# Altium PCB PLCC-RP2350B.PcbDoc (continued)
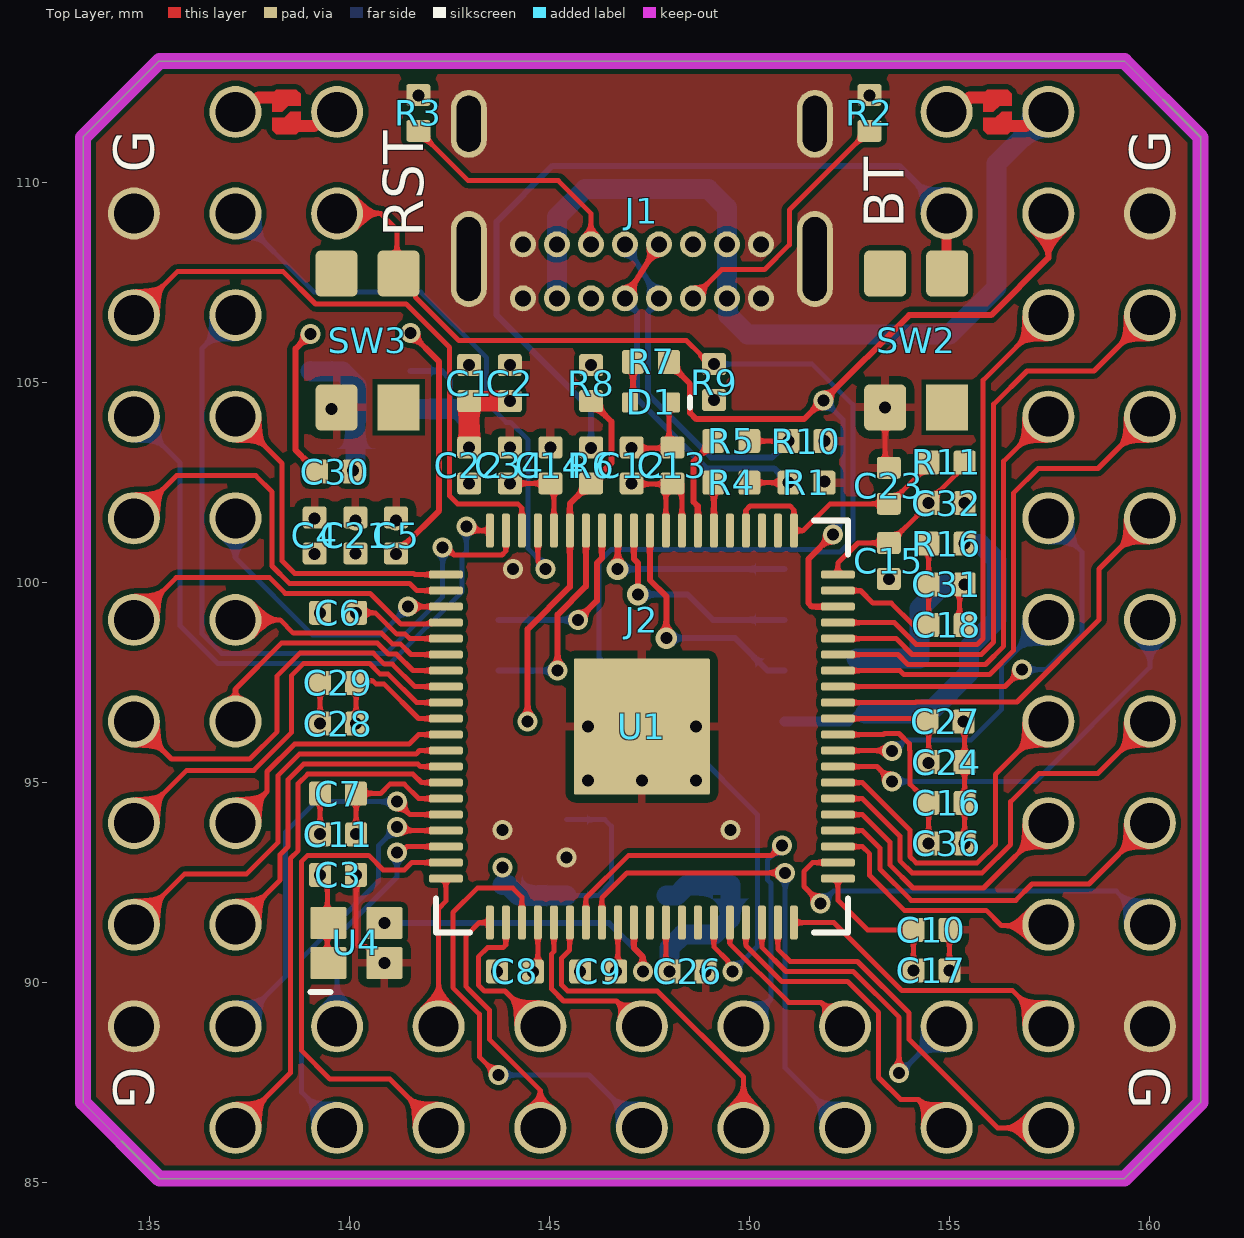
[diagram p0: Top Layer view]
## Footprints (in the part's own frame and the unit in brackets; to place one, negate y for a bottom-side part, rotate by r counter-clockwise, add the part's x,y. Pads: shape width x height; smd on the part's side, far side on the other; paste and mask are expansions set on the pad)
CAPC0402 [mm] "CAPACITOR, CHIP 0402 (1005) 0.5MM THICK"
  rrect25% 0.55x0.6 smd paste+0 mask+0.075: 1(-0.45,0) 2(0.45,0)
  body extent -0.51,-0.25 0.51,0.26, height 0.52
CAPC0603 [mm] "CAPACITOR, CHIP 0603 (1608) 0.5MM THICK"
  rrect25% 0.72x0.99 smd paste+0 mask+0.075: 1(-0.69,0) 2(0.69,0)
  body extent -0.81,-0.41 0.81,0.41, height 0.51
CONN-GCT-USB4085 [mm]
  rrect100% 0.9x2.4 hole 2.1 slot 0.6 at 0 deg paste-2539.97 mask+0: 1(-4.325,3.045) 2(4.325,3.045)
  rrect100% 0.9x1.7 hole 1.4 slot 0.6 at 0 deg paste-2539.97 mask+0: 3(-4.325,-0.335) 4(4.325,-0.335)
  round 0.65 hole 0.4 paste-2539.97 mask+0: A1(-2.975,4.025) A4(-2.125,4.025) A5(-1.275,4.025) A6(-0.425,4.025) A7(0.425,4.025) A8(1.275,4.025) A9(2.125,4.025) A12(2.975,4.025) B1(2.975,2.675) B4(2.125,2.675) B5(1.275,2.675) B6(0.425,2.675) B7(-0.425,2.675) B8(-1.275,2.675) B9(-2.125,2.675) B12(-2.975,2.675)
  body extent -4.87,-4.83 4.87,4.83, height 0.25
IND-ABRACON-ASPI-3012S-3R9N-T [mm]
  rrect8% 1.2x2.7 smd mask+0.05: 1(-1.1,0) 2(1.1,0)
  Top Layer keep-out region: -0.3,1.7 0.3,1.7 0.3,-1.7 -0.3,-1.7
  body extent -1.5,-1.5 1.5,1.5, height 1.51
LED-0402-BLUE [mm] "LED. 0402, BLUE"
  rrect25% 0.4x0.5 smd paste+0 mask+0.075: 1(-0.525,0) 2(0.525,0)
  silkscreen extent -0.98,-0.12 -0.98,0.13, body extent -0.48,-0.25 0.52,0.25, height 0.5
PLCC2350B [mm]
  round 1.3 hole 1: 1(0,-12.7) 2(0,-10.16) 3(2.54,-12.7) 4(2.54,-10.16) 5(5.08,-12.7) 6(5.08,-10.16) 7(7.62,-12.7) 8(7.62,-10.16) 9(10.16,-12.7) 10(12.7,-10.16) 11(10.16,-10.16) 12(12.7,-7.62) 13(10.16,-7.62) 14(12.7,-5.08) 15(10.16,-5.08) 16(12.7,-2.54) 17(10.16,-2.54) 18(12.7,0) 19(10.16,0) 20(12.7,2.54) 21(10.16,2.54) 22(12.7,5.08) 23(10.16,5.08) 24(12.7,7.62) 25(10.16,7.62) 26(12.7,10.16) 27(10.16,12.7) 28(10.16,10.16) 29(7.62,12.7) 30(7.62,10.16) 41(-7.62,12.7) 42(-7.62,10.16) 43(-10.16,12.7) 44(-12.7,10.16) 45(-10.16,10.16) 46(-12.7,7.62) 47(-10.16,7.62) 48(-12.7,5.08) 49(-10.16,5.08) 50(-12.7,2.54) 51(-10.16,2.54) 52(-12.7,0) 53(-10.16,0) 54(-10.16,-2.54) 55(-12.7,-2.54) 56(-12.7,-5.08) 57(-10.16,-5.08) 58(-12.7,-7.62) 59(-10.16,-7.62) 60(-12.7,-10.16) 61(-10.16,-12.7) 62(-10.16,-10.16) 63(-7.62,-12.7) 64(-7.62,-10.16) 65(-5.08,-12.7) 66(-5.08,-10.16) 67(-2.54,-12.7) 68(-2.54,-10.16)
QFN40P1000X1000X90_HS-81N [mm] "QFN, 80-Leads, Body 10.00x10.00mm, Pitch 0.40mm, Thermal Pad 3.40x3.40mm, IPC Medium Density"
  rrect50% 0.85x0.2 smd mask+0.05: 1(-4.9,3.8) 2(-4.9,3.4) 3(-4.9,3) 4(-4.9,2.6) 5(-4.9,2.2) 6(-4.9,1.8) 7(-4.9,1.4) 8(-4.9,1) 9(-4.9,0.6) 10(-4.9,0.2) 11(-4.9,-0.2) 12(-4.9,-0.6) 13(-4.9,-1) 14(-4.9,-1.4) 15(-4.9,-1.8) 16(-4.9,-2.2) 17(-4.9,-2.6) 18(-4.9,-3) 19(-4.9,-3.4) 20(-4.9,-3.8) 41(4.9,-3.8) 42(4.9,-3.4) 43(4.9,-3) 44(4.9,-2.6) 45(4.9,-2.2) 46(4.9,-1.8) 47(4.9,-1.4) 48(4.9,-1) 49(4.9,-0.6) 50(4.9,-0.2) 51(4.9,0.2) 52(4.9,0.6) 53(4.9,1) 54(4.9,1.4) 55(4.9,1.8) 56(4.9,2.2) 57(4.9,2.6) 58(4.9,3) 59(4.9,3.4) 60(4.9,3.8)
  rrect50% 0.2x0.85 smd mask+0.05: 21(-3.8,-4.9) 22(-3.4,-4.9) 23(-3,-4.9) 24(-2.6,-4.9) 25(-2.2,-4.9) 26(-1.8,-4.9) 27(-1.4,-4.9) 28(-1,-4.9) 29(-0.6,-4.9) 30(-0.2,-4.9) 31(0.2,-4.9) 32(0.6,-4.9) 33(1,-4.9) 34(1.4,-4.9) 35(1.8,-4.9) 36(2.2,-4.9) 37(2.6,-4.9) 38(3,-4.9) 39(3.4,-4.9) 40(3.8,-4.9) 61(3.8,4.9) 62(3.4,4.9) 63(3,4.9) 64(2.6,4.9) 65(2.2,4.9) 66(1.8,4.9) 67(1.4,4.9) 68(1,4.9) 69(0.6,4.9) 70(0.2,4.9) 71(-0.2,4.9) 72(-0.6,4.9) 73(-1,4.9) 74(-1.4,4.9) 75(-1.8,4.9) 76(-2.2,4.9) 77(-2.6,4.9) 78(-3,4.9) 79(-3.4,4.9) 80(-3.8,4.9)
  rrect2% 3.4x3.4 smd paste-5 mask+0.05: 81(0,0)
  silkscreen extent -5.15,-5.15 5.15,5.15, body extent -5.01,-5.01 5.01,5.01, height 0.9
RESC0402 [mm] "RESISTOR, CHIP 0402 (1005)"
  rrect25% 0.55x0.6 smd paste+0 mask+0.075: 1(-0.45,0) 2(0.45,0)
  body extent -0.5,-0.25 0.5,0.25, height 0.27
SO127P790-8N [mm] "SO8"
  rrect25% 1.45x0.6 smd mask+0.075: 1(-3.575,1.905) 2(-3.575,0.635) 3(-3.575,-0.635) 4(-3.575,-1.905) 5(3.575,-1.905) 6(3.575,-0.635) 7(3.575,0.635) 8(3.575,1.905)
  silkscreen extent -4.4,2.62 -3.65,2.63, body extent -4,-2.65 4,2.65, height 2.16
SOT23-5 [mm] "SOT23 PACKAGE, 5 PIN (SOT25)"
  rrect25% 1.05x0.55 smd paste+0 mask+0.075: 1(-1.25,0.95) 2(-1.25,0) 3(-1.25,-0.95) 4(1.25,-0.95) 5(1.25,0.95)
  silkscreen extent -1.87,1.55 -1.12,1.55, body extent -1.4,-1.46 1.4,1.44, height 1.45
SOT23-6 [mm] "SOT23 PACKAGE, 6 PIN (SOT26)"
  rrect25% 1.05x0.55 smd paste+0 mask+0.05: 1(-1.25,0.95) 2(-1.25,0) 3(-1.25,-0.95) 4(1.25,-0.95) 5(1.25,0) 6(1.25,0.95)
  silkscreen extent -1.88,1.58 -1.12,1.58, body extent -1.4,-1.45 1.4,1.45, height 1.45
SWITCH-PANASONIC-EVP-AA202K [mm] "SWITCH-PANASONIC-EVP-AA202K"
  rect 1.15x1.05 smd mask+0.075: 1(-1.675,-0.775)
  rrect25% 1.15x1.05 smd mask+0.075: 2(1.675,-0.775) 3(1.675,0.775) 4(-1.675,0.775)
  body extent -2.15,-1.55 2.15,1.55, height 1.71
XOSC-SCTF-SX1M12.000M10F30TNN [mm]
  rrect10% 0.9x0.8 smd paste+0 mask+0.05: 1(-0.7,-0.5) 2(0.7,-0.5) 3(0.7,0.5) 4(-0.7,0.5)
  silkscreen extent -1.15,-1.22 -0.64,-1.22, body extent -1,-0.8 1,0.8, height 0.76

## Part data
C1 C2 C4 C5 C21 C22: library part CAPC-0402-22uF-10V-X5R, "CAPACITOR,CERAMIC,22uF,10V,X5R,0402", Capacitance=22uF, Dielectric=X5R, LCSC=C6119813, Manufacturer 1=SAMSUNG, Package / Case=0402, Supplier Part Number 1=1276-1482-1-ND, Voltage=10V, Supplier 1=Digikey
C3 C6 C7 C8 C9 C10 C13 C14 C15 C16 C18 C27 C28 C30: library part CAPC-0402-100nF-16V-X7R, "CAPACITOR,CERAMIC,100nF,16V,X7R,0402", Capacitance=100nF, Dielectric=X7R, LCSC=C60474, Package / Case=0402, Supplier Part Number 1=1292-1630-1-ND, Voltage=16V, Supplier 1=Digikey
C11 C12 C17 C23 C24 C26 C29 C31 C32 C34 C36: library part CAPC-0402-4u7-10V-X5R, "CAPACITOR,CERAMIC,4u7,10V,X5R,0402", Capacitance=4u7, Dielectric=X5R, LCSC=C1705, Package / Case=0603, Supplier Part Number 1=1276-1482-1-ND, Voltage=10V, Supplier 1=Digikey
C19: library part CAPC-0603-4u7-10V-X5R, "CAPACITOR,CERAMIC,4u7,10V,X5R,0603", Capacitance=4u7, Dielectric=X5R, LCSC=C1705, Manufacturer 1=SAMSUNG, Manufacturer Part Number 1=CL10A475KP8NNNC, Package / Case=0603, Supplier Part Number 1=GRM188Z71A475KE15J, Voltage=10V, MOUSER=187-CL10A475KP8NNNC, Supplier 1="Arrow Electronics"
C20: library part CAPC-0603-100nF-50V-X7R, "CAPACITOR,CERAMIC,100nF,50V,X7R,0603", Capacitance=100nF, Dielectric=X7R, LCSC=C14663, Manufacturer 1=KEMET, Manufacturer Part Number 1=C0603C104K5RACTU, Package / Case=0603, Voltage=50V, MOUSER=80-C0603C104K5R
C35 C37: library part CAPC-0603-22uF-16V-X5R, "CAPACITOR,CERAMIC,22uF,16V,X5R,0603", Capacitance=22uF, Dielectric=X5R, LCSC=C2762594, Manufacturer 1=SAMSUNG, Manufacturer Part Number 1=CL10A226MO7JZNC, Package / Case=0603, Supplier Part Number 1=1276-7076-1-ND, Voltage=16V, MOUSER=187-CL10A226MO7JZNC, Supplier 1=Digikey
D1: "LED,SMD,BLUE,90mCd,0603", LCSC=C434447, Manufacturer 1="Yongyu Photoelectric", Manufacturer Part Number 1=SZYY0402B
J1: "CONN,USB-C,16P,RA,TH,8.94X9.17", LCSC=C36936564, Supplier Part Number 1=2073-USB4085-GF-ACT-ND, Supplier 1=Digikey
L1: library part IND-TAIYO-NRH3012T4R7MN, "IND,4.7uH,1.06A,3X3, NRH3012T4R7MN", LCSC=C5159666, Supplier Part Number 1=587-2591-1-ND, Supplier 1=Digikey
R1 R4 R5 R10: library part RESC-0402-27R-1%-1/10W, "RESISTOR,27R,1%,63mW,0402 (1005)", LCSC=C138021, Power=1/16W, Supplier Part Number 1=2577120, Tolerance=1%, Supplier 1="Future Electronics"
R2 R3: library part RESC-0402-5K1-1%-1/10W, "RESISTOR,5K1,1%,63mW,0402 (1005)", LCSC=C105872, Power=1/16W, Supplier Part Number 1=6053649, Tolerance=1%, Supplier 1="Future Electronics"
R6 R7: library part RESC-0402-1K-1%-1/10W, "RESISTOR,1K,1%,63mW,0402 (1005)", LCSC=C106235, Power=1/16W, Supplier Part Number 1=7825607, Tolerance=1%, Supplier 1="Future Electronics"
R8 R9: library part RESC-0402-10K-1%-1/10W, "RESISTOR,10K,1%,63mW,0402 (1005)", LCSC=C60490, Power=1/16W, Supplier Part Number 1=3388022, Tolerance=1%, Supplier 1="Future Electronics"
R11 R16: library part RESC-0402-33R-1%-1/10W, "RESISTOR,33R,1%,63mW,0402 (1005)", LCSC=C138002, Power=1/16W, Supplier Part Number 1=8177883, Tolerance=1%, Supplier 1="Future Electronics"
SW2 SW3: "SW,SMD,TACT,4PIN,2.9X3.5,4PIN", LCSC=C483888, Supplier Part Number 1=667-EVP-AA202K, Supplier 1=Mouser
U1: "IC,CPU,RP2350B,QFN80", LCSC=C42415655
U2: library part IC-DIODES-AP63203Q, "IC,PMIC,STEP-DOWN, 2A 3.3V", LCSC=C780769, Supplier Part Number 1=31-AP63203QWU-7CT-ND, Supplier 1=Digikey
U3: library part IC-WINBOND-W25Q128JVSIQ, "IC,FLASH,QSPI,16Mx8", LCSC=C97521, Supplier Part Number 1=W25Q128JVSIQCT-ND, Supplier 1=Digikey

## Via types
v1: diameter 0.5, hole 0.3, Top Layer to Bottom Layer, tented both sides, 45 vias
v2: diameter 0.54, hole 0.3, Top Layer to Bottom Layer, tented both sides, 34 vias
v3: diameter 0.5, hole 0.3, Top Layer to Bottom Layer, 9 vias
v4: diameter 0.6, hole 0.3, Top Layer to Bottom Layer, tented both sides, 5 vias

## Nets (pads, with @x,y where several pads share a name; then routed paths per layer and width w, separated by ;. In a path a pad name is that pad's centre, name@x,y a point inside that pad or via, vN(x,y) a via of type N, cw(c..) or ccw(c..) an arc to the next point about the centre after c; other vN are vias at no path point)
BOOT: J2.30 R6.1 SW2.2 | length 20.5
  Top Layer w0.25: SW2.2@154.94,107.733 J2.30
  Bottom Layer w0.15: v1(146.05,103.354) 146.05,104.318 143.688,106.68 143.688,109.017 145.081,110.41 153.75,110.41 J2.30
GND: C1.2 C2.2 C3.2 C4.2 C5.2 C6.2 C7.2 C8.2 C9.2 C10.2 C11.2 C12.2 C13.2 C14.2 C15.2 C16.2 C17.2 C18.2 C19.2 C20.2 C21.2 C22.2 C23.2 C24.2 C26.2 C27.2 C28.2 C29.2 C31.2 C32.2 C34.2 C35.2 C36.2 C37.2 D1.1 J1.1 J1.2 J1.3 J1.4 J1.A1 J1.A12 J1.B1 J1.B12 J2.10 J2.26 J2.44 J2.60 R1.2 R2.2 R3.2 R10.2 SW2.4 SW3.4 U1.81 U2.4 U3.4 U4.2 U5.2 | length 18.2
  Top Layer w0.125: C11.2@139.275,93.647 C7.2@139.275,94.663 ; C28.2@139.275,96.52 C29.2@139.275,97.536 ; C3.2@140.384,92.476 v1(140.175,92.685) 140.175,90.969 140.249,90.895 140.42,90.895 140.833,90.483 v1(140.883,90.483) ; v2(147.066,103.354) C13.2@148.077,103.354 ; D1.1@147.999,104.496 147.999,103.454 C13.2 ; C23.2@153.403,102.756 v2(153.403,104.37) ; C23.2@153.403,103.01 C23.2@153.543,102.87 ; v1(155.009,90.297) C10.2 ; C18.2@155.263,98.933 C31.2@155.263,99.949 ; v2(155.39,93.472) C16.2 C24.2 C27.2@155.39,96.52
  Bottom Layer w0.5: C20.2 C19.2 154.254,99.339 154.864,99.949 v2(155.39,99.949)
  other v1: 145.435,93.116 143.84,93.806 149.53,93.806 144.094,100.33 140.157,101.549 141.173,101.549 139.141,101.6 143.002,102.471 139.559,104.333 143.002,105.428 144.018,105.428 141.732,112.164 153.01,112.164
  other v2: 143.695,90.272 145.778,90.272 148.913,90.272 139.275,93.706 139.275,96.469 155.365,96.52 139.275,99.238 153.492,100.083 155.39,101.981 151.885,102.514 144.018,103.371 145.034,103.371 151.885,103.53
  other v4: 145.97,95.043 147.32,95.043 148.67,95.043 145.97,96.393 148.67,96.393
GP0: J2.45 U1.77 | length 14.8
  Top Layer w0.125: U1.77 144.72,100.517 v3(144.907,100.33)
  Bottom Layer w0.125: J2.45 139.126,107.254 141.795,107.254 143.44,105.609 143.44,104.488 143.929,103.999 144.037,103.999 144.476,103.56 144.476,100.839 144.907,100.408 v3(144.907,100.33)
GP1: J2.46 U1.78 | length 15.3
  Top Layer w0.125: J2.46 135.705,107.765 138.354,107.765 139.161,106.957 141.428,106.957 142.514,105.871 142.514,102.158 142.711,101.962 144.22,101.962 144.32,101.862 U1.78
GP2: J2.47 U1.79 | length 18.6
  Top Layer w0.125: v3(142.342,100.863) 142.443,100.863 142.626,100.68 143.822,100.68 143.92,100.778 U1.79
  Bottom Layer w0.125: J2.47 136.322,105.842 136.322,98.713 136.813,98.222 140.929,98.222 142.342,99.635 v3(142.342,100.863)
GP3: J2.48 U1.80 | length 16.2
  Top Layer w0.125: v3(142.93,101.393) 143.03,101.293 U1.80
  Bottom Layer w0.125: J2.48 135.777,102.983 135.777,98.905 136.71,97.972 141.033,97.972 142.826,99.766 142.826,100.664 142.93,100.767 v3(142.93,101.393)
GP4: J2.49 U1.1 | length 8.3
  Top Layer w0.125: J2.49 138.328,102.972 138.328,100.533 138.636,100.225 141.615,100.225 141.647,100.193 U1.1
GP5: J2.50 U1.2 | length 10.5
  Top Layer w0.125: J2.50 135.687,102.667 137.668,102.667 138.074,102.26 138.074,100.408 138.507,99.975 141.512,99.975 141.694,99.793 U1.2
GP6: J2.51 U1.3 | length 7.3
  Top Layer w0.125: v3(141.478,99.39) 141.481,99.393 U1.3
  Bottom Layer w0.125: J2.51 137.16,100.609 139.09,98.679 140.767,98.679 v3(141.478,99.39)
GP7: J2.52 U1.4 | length 8.7
  Top Layer w0.125: J2.52 135.676,100.116 138.013,100.116 138.404,99.725 140.524,99.725 141.297,98.953 142.055,98.953 142.095,98.993 U1.4
GP8: J2.53 U1.6 | length 5.6
  Top Layer w0.125: J2.53 138.278,99.06 138.608,98.73 140.813,98.73 141.09,98.453 141.29,98.453 141.549,98.193 U1.6
GP9: J2.54 U1.7 | length 6.8
  Top Layer w0.125: J2.54 137.16,97.333 138.307,98.48 140.709,98.48 140.986,98.203 141.186,98.203 141.596,97.793 U1.7
GP10: J2.55 U1.8 | length 10.5
  Top Layer w0.125: J2.55 135.56,95.58 137.516,95.58 138.201,96.266 138.201,97.663 138.768,98.23 140.605,98.23 140.883,97.953 141.083,97.953 141.642,97.393 U1.8
GP11: J2.56 U1.9 | length 10.7
  Top Layer w0.125: J2.56 135.941,95.301 137.617,95.301 138.557,96.241 138.557,97.665 138.865,97.973 140.509,97.973 140.779,97.703 140.979,97.703 141.689,96.993 U1.9
GP12: J2.57 U1.11 | length 6.5
  Top Layer w0.125: J2.57 137.947,94.767 137.947,95.268 138.633,95.954 141.499,95.954 141.738,96.193 U1.11
GP13: J2.58 U1.12 | length 10.6
  Top Layer w0.125: J2.58 135.89,92.71 137.439,92.71 138.227,93.497 138.227,95.175 138.756,95.704 141.673,95.704 141.762,95.793 U1.12
GP14: J2.59 U1.13 | length 8.3
  Top Layer w0.125: J2.59 138.278,92.558 138.278,93.195 138.477,93.394 138.477,95.071 138.859,95.454 141.725,95.454 141.786,95.393 U1.13
GP15: J2.61 U1.14 | length 13.1
  Top Layer w0.125: J2.61 138.532,87.732 138.532,93.095 138.727,93.29 138.727,94.968 138.963,95.204 141.599,95.204 141.811,94.993 U1.14
GP16: J2.62 U1.16 | length 9.8
  Top Layer w0.125: v1(141.199,94.513) 141.519,94.193 U1.16
  Bottom Layer w0.125: J2.62 138.405,90.145 138.405,93.755 139.163,94.513 v1(141.199,94.513)
GP17: J2.63 U1.17 | length 10.1
  Top Layer w0.125: v1(141.199,93.878) 141.3,93.878 141.385,93.793 U1.17
  Bottom Layer w0.125: J2.63 138.813,87.247 138.813,90.604 140.741,92.532 140.741,93.421 v1(141.199,93.878)
GP18: J2.64 U1.18 | length 6.2
  Top Layer w0.125: v1(141.199,93.243) 141.3,93.243 141.45,93.393 U1.18
  Bottom Layer w0.125: J2.64 139.7,91.135 141.199,92.634 v1(141.199,93.243)
GP19: J2.65 U1.19 | length 12.9
  Top Layer w0.125: J2.65 141.021,87.579 139.522,87.579 138.813,88.289 138.813,93.022 138.963,93.172 140.488,93.172 140.854,92.806 141.38,92.806 141.567,92.993 U1.19
GP20: J2.66 U1.20 | length 3.8
  Top Layer w0.125: J2.66 142.24,91.846 142.42,92.026 U1.20
GP21: J2.67 U1.21 | length 6.3
  Top Layer w0.125: 142.982,89.831 143.506,89.307 143.506,88.574 144.78,87.3 J2.67 ; 142.982,89.832 142.926,89.889 142.926,91.163 143.256,91.493 U1.21
GP22: J2.68 U1.22 | length 4
  Top Layer w0.125: U1.22 143.92,90.938 143.847,90.865 143.459,90.865 143.232,90.638 143.232,89.934 143.383,89.784 143.896,89.784 J2.68
GP23: J2.1 U1.23 | length 11.4
  Top Layer w0.125: v3(143.739,87.681) 143.713,87.681 143.256,88.138 143.256,89.204 142.596,89.864 142.596,91.745 143.205,92.354 144.094,92.354 144.32,92.129 U1.23
  Bottom Layer w0.125: v3(143.739,87.681) 145.999,87.681 J2.1
GP24: J2.2 U1.25 | length 4.3
  Top Layer w0.125: U1.25 145.12,90.767 145.065,90.713 145.065,89.831 145.362,89.534 146.686,89.534 J2.2
GP25: J2.3 U1.26 | length 8.4
  Top Layer w0.125: U1.26 145.515,91.488 145.515,90.809 145.315,90.609 145.315,89.934 145.465,89.784 147.706,89.784 149.86,87.63 J2.3
GP26: J2.4 U1.27 | length 11.1
  Top Layer w0.125: U1.27 145.92,92.106 146.982,93.167 150.564,93.167 150.818,93.421 v1(150.825,93.421)
  Bottom Layer w0.125: J2.4 150.546,89.586 150.546,92.472 150.464,92.554 150.464,93.06 v1(150.825,93.421)
GP27: J2.5 U1.28 | length 12.5
  Top Layer w0.125: U1.28 146.32,92.105 146.95,92.735 v1(150.901,92.735)
  Bottom Layer w0.125: v1(150.901,92.735) 150.901,87.859 J2.5
GP28: J2.6 U1.36 | length 4.3
  Top Layer w0.125: U1.36 149.52,90.967 150.988,89.499 151.801,89.499 J2.6
GP29: J2.7 U1.37 | length 8.4
  Top Layer w0.125: U1.37 149.92,90.921 150.819,90.022 152.463,90.022 153.238,89.247 153.238,87.622 153.791,87.068 154.232,87.068 J2.7
GP30: J2.8 U1.38 | length 7.8
  Top Layer w0.125: U1.38 150.32,90.874 150.923,90.272 152.603,90.272 153.75,89.125 153.75,87.736 v3(153.746,87.732)
  Bottom Layer w0.125: v3(153.746,87.732) 153.772,87.732 J2.8
GP31: J2.9 U1.39 | length 9.7
  Top Layer w0.125: U1.39 150.72,90.828 151.026,90.522 152.709,90.522 154,89.23 154,88.57 156.21,86.36 J2.9
GP32: J2.11 U1.40 | length 7.4
  Top Layer w0.125: U1.40 152.118,91.493 153.646,89.965 153.646,89.96 153.797,89.81 153.802,89.81 153.822,89.789 155.424,89.789 156.591,89.789 J2.11
GP33: J2.12 U1.42 | length 10.6
  Top Layer w0.125: v1(151.79,91.973) 151.371,92.393 151.371,92.773 151.591,92.993 U1.42
  Bottom Layer w0.125: v1(151.79,91.973) 151.801,91.973 152.105,92.278 159.182,92.278 J2.12
GP34: J2.13 U1.43 | length 6.4
  Top Layer w0.125: U1.43 152.833,93.393 153.014,93.212 153.014,92.67 153.883,91.801 155.926,91.801 156.312,91.415 157.455,91.415 J2.13
GP35: J2.14 U1.44 | length 9.6
  Top Layer w0.125: U1.44 152.833,93.793 153.268,93.358 153.268,92.834 154.051,92.051 156.668,92.051 157.074,92.456 158.496,92.456 J2.14
GP36: J2.15 U1.45 | length 7
  Top Layer w0.125: U1.45 152.833,94.193 153.518,93.508 153.518,92.937 154.097,92.358 155.858,92.358 J2.15
GP37: J2.16 U1.46 | length 11.1
  Top Layer w0.125: U1.46 152.833,94.593 153.768,93.658 153.768,93.041 154.074,92.734 155.829,92.734 156.54,93.446 156.54,94.513 157.251,95.225 158.725,95.225 J2.16
GP38: J2.17 U1.47 | length 9
  Top Layer w0.125: U1.47 152.832,94.993 154.018,93.808 154.018,93.144 154.178,92.984 155.702,92.984 156.159,93.441 156.159,95.199 J2.17
GP39: J2.18 U1.48 | length 10.3
  Top Layer w0.125: U1.48 153.197,95.393 v1(153.568,95.021)
  Bottom Layer w0.125: v1(153.568,95.021) 157.166,95.021 160.02,97.876 J2.18
GP40: J2.19 U1.49 | length 7.3
  Top Layer w0.125: U1.49 153.559,95.793 v1(153.568,95.783)
  Bottom Layer w0.125: v1(153.568,95.783) 153.629,95.783 153.908,96.062 155.554,96.062 156.317,96.825 156.317,97.931 157.445,99.06 J2.19
GP41: J2.20 U1.52 | length 10.5
  Top Layer w0.125: U1.52 154.163,96.993 154.178,97.008 156.698,97.008 158.75,99.06 158.75,100.33 J2.20
GP42: J2.21 U1.53 | length 9.9
  Top Layer w0.125: U1.53 156.397,97.393 v1(156.82,97.815)
  Bottom Layer w0.125: v1(156.82,97.815) 157.42,97.815 158.318,98.713 158.318,100.762 J2.21
GP43: J2.22 U1.54 | length 12.8
  Top Layer w0.125: U1.54 153.769,97.793 153.867,97.695 156.013,97.695 156.616,98.299 156.616,102.235 157.226,102.845 158.725,102.845 J2.22
GP44: J2.23 U1.55 | length 10.6
  Top Layer w0.125: U1.55 153.723,98.193 153.971,97.945 155.91,97.945 156.366,98.402 156.366,103.026 J2.23
GP45: J2.24 U1.56 | length 15
  Top Layer w0.125: U1.56 153.677,98.593 154.074,98.195 155.806,98.195 156.116,98.506 156.116,104.453 156.947,105.283 158.623,105.283 J2.24
GP46: J2.25 U1.57 | length 12.7
  Top Layer w0.125: U1.57 153.63,98.993 154.178,98.445 155.702,98.445 155.853,98.596 155.853,105.053 J2.25
GP47: J2.28 R7.1 U1.58 | length 19.9
  Top Layer w0.15: R7.1 147.999,105.487 148.524,104.962 148.524,104.234 148.679,104.079 151.373,104.079 151.74,104.445 151.828,104.445 151.867,104.406 v3@151.94,104.479 ; v3@151.926,104.487 v3(151.867,104.546) 154,106.68 156.05,106.68 157.48,108.11 J2.28 ; v3(152.095,101.194) 151.482,100.581 151.482,99.481 151.57,99.393 U1.58
  Bottom Layer w0.125: v3(151.867,104.546) 152.342,104.071 152.342,101.542 152.095,101.295 v3(152.095,101.194)
NetC18_1: C18.1 C31.1 R16.1 U1.59 | length 4.7
  Top Layer w0.125: U1.59 152.785,99.793 153.098,99.48 153.555,99.48 154.101,98.934 154.364,98.934 154.49,99.06 154.49,99.822 154.363,99.949 154.49,100.076 154.49,100.838 R16.1@154.363,100.965
NetC30_1: C30.1 L1.1 U2.5 | length 3.5
  Bottom Layer w0.5: U2.5 139.052,105.265 139.837,105.265 140.184,104.918 140.184,104.074 140.157,104.047 L1.1
  other v1: 140.099,102.789
NetC30_2: C30.2 U2.6 | length 3.8
  Top Layer w0.15: v1(139.034,106.212) 138.662,105.84 138.662,103.306 138.974,102.993 138.999,102.993 139.199,102.793 C30.2
NetD1_2: D1.2 R7.2 | length 1
  Top Layer w0.15: D1.2@147.099,104.496 R7.2
NetJ1_A5: J1.A5 R2.1 | length 6.7
  Top Layer w0.125: J1.A5 149.316,107.821 150.391,107.821 151.007,108.438 151.007,109.307 152.985,111.285 R2.1
NetJ1_B5: J1.B5 R3.1 | length 6
  Top Layer w0.125: R3.1 141.754,111.285 141.966,111.073 141.966,111.051 142.977,110.04 145.23,110.04 146.045,109.225 J1.B5
P1V1: C24.1 C26.1 C27.1 C28.1 C29.1 C37.1 U1.10 U1.32 U1.51 U5.5 | length 32.9
  Top Layer w0.125: C28.1@140.175,96.52 140.175,97.536 140.592,97.536 140.675,97.453 140.876,97.453 141.735,96.593 U1.10 ; C26.1@147.92,90.272 U1.32 ; U1.51 154.417,96.593 154.49,96.52 C24.1
  Layer 1 w0.5: v2(140.175,96.469) 142.469,96.469 144.57,94.368 146.38,94.368 148.013,92.735 ; v2(148.013,90.272) 148.013,92.735 ; v2(154.49,95.479) 154.482,95.471 154.482,95.051 153.774,94.343 150.863,94.343 150.155,93.635 150.155,93.548 149.343,92.735 148.013,92.735
  Bottom Layer w0.5: U5.5 148.185,92.166 148.445,92.426 C37.1 149.53,91.599 149.12,91.189 148.339,91.189 148.013,90.863 v2(148.013,90.272)
P3V3: C3.1 C6.1 C7.1 C8.1 C9.1 C10.1 C11.1 C12.1 C13.1 C14.1 C15.1 C16.1 C17.1 C19.1 C20.1 C32.1 C34.1 C35.1 C36.1 J2.43 R8.2 R9.2 R11.1 R16.2 U1.5 U1.15 U1.24 U1.29 U1.41 U1.50 U1.60 U1.68 U1.69 U1.76 U3.8 U4.1 U4.4 U5.1 U5.3 | length 45.5
  Top Layer w0.125: v1(139.275,92.685) 139.457,92.503 U4.1@139.457,90.483 ; C11.1@140.175,93.669 C11.1 C11.1@140.175,93.722 ; C7.1@140.175,94.663 C11.1@140.175,93.722 ; C7.1@140.175,94.722 140.788,94.722 141.017,94.951 141.38,94.951 141.738,94.593 U1.15 ; C6.1@140.294,99.331 140.387,99.238 140.658,99.238 141.193,98.703 141.404,98.703 141.513,98.593 U1.5 ; C11.1@140.387,93.934 C11.1@140.175,93.722 ; v2(144.018,102.471) C14.1 145.12,102.385 U1.76 ; v2(144.592,90.262) 144.72,90.389 U1.24 ; v2(146.678,90.272) 146.72,90.314 U1.29 ; C12.1@147.066,102.454 C13.1@147.92,102.454 ; U1.69 C13.1@147.92,102.291 ; C13.1@148.082,102.454 148.32,102.454 U1.68 ; U1.41 152.22,92.163 152.228,92.155 152.228,92.044 152.959,91.313 C10.1 ; U1.50 153.359,96.193 153.387,96.221 153.75,96.221 154.006,95.965 154.006,95.803 154.027,95.782 154.027,94.951 154.256,94.722 154.278,94.722 154.49,94.51 C16.1 v2(154.49,93.472) ; U1.60 152.22,100.481 152.723,100.983 C15.1@153.365,100.983 ; C15.1 C15.1@153.365,100.983 ; v1(154.109,90.297) C10.1@154.109,91.262 ; C32.1@154.363,101.981 154.363,101.829 153.517,100.983 C15.1@153.365,100.983 ; C32.1@154.363,102.003 154.487,102.003 155.181,102.697 155.181,102.915 R11.1@155.263,102.997 ; v2(154.49,101.981) C32.1@154.49,102.003
  Top Layer w0.3: J2.43 137.376,111.76 137.732,112.116 138.357,112.116 138.43,112.116
  Bottom Layer w0.125: U5.1 146.218,92.166 146.558,92.507 146.558,93.904 146.395,94.066 U5.3 ; C20.1@152.48,96.52 C20.1
  Bottom Layer w0.25: U3.8 C20.1@152.48,96.52
  Bottom Layer w0.5: C35.1 143.975,92.426 144.235,92.166 U5.1 ; C20.1@152.895,96.719 C19.1 154.364,96.829 154.589,96.829 155.499,97.739 155.499,98.374 156.185,99.06 156.185,100.559 155.786,100.957 155.398,100.957 v2(155.39,100.965)
  other v1: 143.84,92.866 149.123,104.554 146.05,105.428
  other v2: 140.175,93.706 140.175,99.238 147.066,102.471
P3V3OUT: C4.1 C5.1 C21.1 J2.41 L1.2 U2.1 | length 19.9
  Top Layer w0.15: C5.1@141.188,100.711 141.398,100.921 141.398,100.936 142.252,101.79 142.252,105.515 v3(141.534,106.233)
  Top Layer w0.3: 138.43,111.404 138.503,111.404 139.128,111.404 139.484,111.76 J2.41
  Layer 1 w0.5: v1(139.141,100.711) 138.647,100.711 138.354,101.004 138.354,110.414 J2.41
  other v1: 140.157,100.721 141.173,100.711
P_N: J1.A7 J1.B7 R1.1 R4.1 | length 9.9
  Top Layer w0.125: R4.1 v2(150.985,102.489)
  Top Layer w0.15: J1.A7 J1.B7
  Bottom Layer w0.15: J1.A7 146.895,107.065 147.197,106.762 147.197,104.839 147.197,104.585 148.933,102.849 149.187,102.849 150.625,102.849 v2(150.985,102.489)
P_P: J1.A6 J1.B6 R5.1 R10.1 | length 9.4
  Top Layer w0.125: R5.1 v2(150.985,103.53)
  Bottom Layer w0.15: J1.B6 J1.A6 147.745,107.035 147.472,106.762 147.472,104.699 149.047,103.124 150.578,103.124 v2(150.985,103.53)
QCLK: U1.71 U3.6 | length 5.6
  Top Layer w0.15: U1.71 147.12,100.585 147.22,100.485 147.22,99.697 v2(147.218,99.695)
  Bottom Layer w0.15: v2(147.218,99.695) 148.464,99.695 149.099,99.06 U3.6
QSD0: U1.72 U3.5 | length 5.1
  Top Layer w0.15: v2(146.71,100.33) 146.72,100.34 U1.72
  Bottom Layer w0.15: v2(146.71,100.33) U3.5
QSD1: U1.74 U3.2 | length 5.3
  Top Layer w0.15: v1(145.212,97.79) 145.212,99.188 145.92,99.897 U1.74
  Bottom Layer w0.15: U3.2 v1(145.212,97.79)
QSD2: U1.73 U3.3 | length 4.5
  Top Layer w0.15: v1(145.72,99.06) 146.195,99.535 146.195,100.479 146.32,100.604 U1.73
  Bottom Layer w0.15: U3.3 v1(145.72,99.06)
QSD3: U1.70 U3.7 | length 6.2
  Top Layer w0.15: U1.70 147.52,100.058 147.93,99.648 v2(147.93,98.603)
  Bottom Layer w0.15: v2(147.93,98.603) 149.651,98.603 150.464,97.79 U3.7
QSS: R6.2 R8.1 U1.75 U3.1 | length 9.1
  Top Layer w0.15: v1(144.464,96.52) 144.464,98.829 145.52,99.885 145.52,101.966 145.872,102.318 R6.2@145.872,102.543 ; R6.2 146.075,102.471 146.275,102.671 146.275,102.696 146.558,102.979 146.558,104.02 146.275,104.303 146.275,104.328 146.075,104.528 R8.1
RST: J2.42 R9.1 SW3.2 U1.35 | length 39.1
  Top Layer w0.125: J2.42 140.792,109.22 141.197,108.816 141.197,107.76 SW3.2 141.657,107.3 141.657,107.133 142.745,106.045 148.43,106.045 148.788,105.687 148.788,105.666 149,105.454 R9.1@149.022,105.454 ; U1.35 149.12,90.885 149.472,90.532 149.472,90.481 149.581,90.373 v1(149.581,90.272)
  Bottom Layer w0.125: v1(149.123,105.454) 151.578,105.454 152.592,104.439 152.592,101.072 152.276,100.756 151.709,100.756 151.647,100.818 146.551,100.818 146.253,100.52 146.253,98.121 148.468,95.906 148.498,95.906 150.212,94.191 150.212,90.903 v1(149.581,90.272)
U_N: R4.2 U1.66 | length 1.2
  Top Layer w0.15: U1.66 R4.2@149.12,102.515 ; R4.2@149.129,102.522 R4.2@149.136,102.515
U_P: R5.2 U1.67 | length 2.4
  Top Layer w0.15: U1.67 148.72,101.902 148.615,102.006 148.615,103.015 148.906,103.305 R5.2@149.055,103.454
VBUS: J1.A4 J1.A9 J1.B4 J1.B9 J2.27 | length 23.2
  Top Layer w0.3: 156.21,111.404 156.283,111.404 156.908,111.404 157.264,111.76 J2.27
  Bottom Layer w0.5: J1.A9 J1.B4 145.195,109.127 145.898,109.83 148.979,109.83 149.445,109.364 J1.B9 J1.A4 149.474,107.071 149.474,106.685 149.962,106.197 155.016,106.197 156.185,107.366 156.185,110.465 J2.27
VRA: C23.1 R11.2 U1.61 U1.64 | length 6.2
  Top Layer w0.125: U1.64 149.921,101.803 150.023,101.906 151.028,101.906 151.12,101.813 U1.61 151.356,101.293 152.026,101.963 C23.1 ; C23.1@153.581,102.027 154.281,102.727 154.281,102.76 154.34,102.818 R11.2@154.489,102.818
VSYS: C1.1 C2.1 C22.1 J2.29 U2.2 U2.3 | length 23.6
  Top Layer w0.3: J2.29 155.156,111.76 155.512,112.116 156.137,112.116 156.21,112.116
  Top Layer w0.5: v1(143.002,103.371) C1.1 v1(144.018,104.528)
  Layer 1 w0.5: v1(144.018,104.528) 146.565,104.528 148.234,106.197 152.679,106.197 153.441,106.959 153.441,110.261 J2.29
  Bottom Layer w0.15: U2.2 142.322,105.283 142.527,105.078 142.527,104.515 142.709,104.333
  Bottom Layer w0.5: U2.3 142.709,104.333 143.002,104.04 v1(143.002,103.371)
XIN: U1.30 U4.3 | length 8.5
  Top Layer w0.15: U1.30 147.12,90.859 147.341,90.638 147.341,90.276 v1(147.345,90.272)
  Bottom Layer w0.15: v1(140.883,91.483) 146.496,91.483 147.341,90.638 147.341,90.276 v1(147.345,90.272)
pads on no net: J1.A8 J1.B8 SW2.1 SW2.3 SW3.1 SW3.3 U1.31 U1.33 U1.34 U1.62 U1.63 U1.65 U5.4

## Polygon pours and split planes (outlines as drawn)
P3V3 on Layer 2 "P3V3_L03_P002" (solid, remove dead copper, pour order 2): 133.35,113.03 133.35,85.09 161.29,85.09 161.29,113.03
GND on Layer 2 "GND_L03_P000" (solid, pour order 0): 151.885,103.53 151.859,103.505 151.859,102.489 151.275,101.905 149.377,101.905 146.634,104.648 146.634,106.172 146.416,106.39 145.055,106.39 144.345,107.1 144.345,109.014 144.729,109.398 149.758,109.398 150.295,108.861 150.295,107.1 149.596,106.401 148.209,106.401 147.999,106.19 147.999,104.759 148.927,103.83 149.779,103.83 150.14,104.191 151.224,104.191
GND on Top Layer "GND_L01_P004" (solid, remove dead copper, pour order 4): 133.35,85.09 161.29,85.09 161.29,113.03 133.35,113.03
GND on Layer 1 "GND_L02_P001" (solid, remove dead copper, pour order 1): 133.35,85.09 161.29,85.09 161.29,113.03 133.35,113.03
GND on Bottom Layer "GND_L04_P003" (solid, remove dead copper, pour order 3): 133.35,85.09 161.29,85.09 161.29,113.03 133.35,113.03

## Keep-outs
Keep-Out Layer:
  the board outline again, w0.4

## Other copper
Top Layer:
  region net VBUS: 155.956,111.201 155.854,111.303 155.854,111.608 156.159,111.608 156.312,111.76 156.566,111.76 156.566,111.303 156.464,111.201
  region net VSYS: 156.464,112.319 156.566,112.217 156.566,111.912 156.261,111.912 156.108,111.76 155.854,111.76 155.854,112.217 155.956,112.319
  region net P3V3: 138.684,112.319 138.786,112.217 138.786,111.912 138.481,111.912 138.328,111.76 138.074,111.76 138.074,112.217 138.176,112.319
  region net P3V3OUT: 138.176,111.201 138.074,111.303 138.074,111.608 138.379,111.608 138.532,111.76 138.786,111.76 138.786,111.303 138.684,111.201

## Silkscreen, mask and mechanical layers (free items; w line width, h text height)
Top Overlay:
  text "G" at 135.12,110.235 h1 r90
  text "G" at 160.52,110.235 h1 r90
  text "BT" at 153.865,108.848 h1 r90
  text "RST" at 141.851,108.631 h1 r90
  text "G" at 134.12,87.885 h1 r270
  text "G" at 159.52,87.885 h1 r270
Bottom Overlay:
  drawing of 7 lines, arcs and shapes, not listed
  text "PLCC2350B" at 151.616,111.458 h2
  text "0" at 150.039,109.461 h2.45
  text "PUBLIC / DOMAIN" at 148.497,109.24 h1.23
  text "GitHub:" at 155.993,104.988 h1
  text "vincent-himpe/" at 155.993,103.504 h1
  text "PLCC-RP2350B" at 155.993,101.659 h1
Top Solder:
  rectangle: 155.804,111.506 156.616,111.938
  rectangle: 138.024,111.506 138.836,111.938
Mechanical 15:
  lines w0.05: 133.35,86.995 133.35,111.125 135.255,113.03 159.385,113.03 161.29,111.125 161.29,88.9 161.29,86.995 159.385,85.09 135.255,85.09 133.35,86.995

## Text inside footprints (layer, text, board x,y; h text height)
SW2: Top Assembly "1" at 155.478,103.795 h1 r90
SW3: Top Assembly "1" at 141.762,103.795 h1 r90
U2: Bottom Assembly "1" at 142.059,105.908 h0.3
U3: Bottom Assembly "1" at 143.014,96.82 h0.3 r180
U4: Top Assembly "1" at 138.983,89.983 h1
U5: Bottom Assembly "1" at 144.91,92.491 h0.3 r180